# Altium PCB EDA-04211-V4_0_pcb.pcbdoc (part 11 of 12)
Units mm, origin at the board's own origin, x right, y up, seen from the top; angles counter-clockwise.
Board outline 304.8 x 128.5 mm, 14 copper layers (Top Layer, L2, L3GND, L4, L5GND, L6, L7GND, L8, L9GND, L10, L11GND, L12, L13GND, Bottom Layer), stack 4.06 mm thick; 143 components, 1224 nets, 5334 pads, 591 vias.
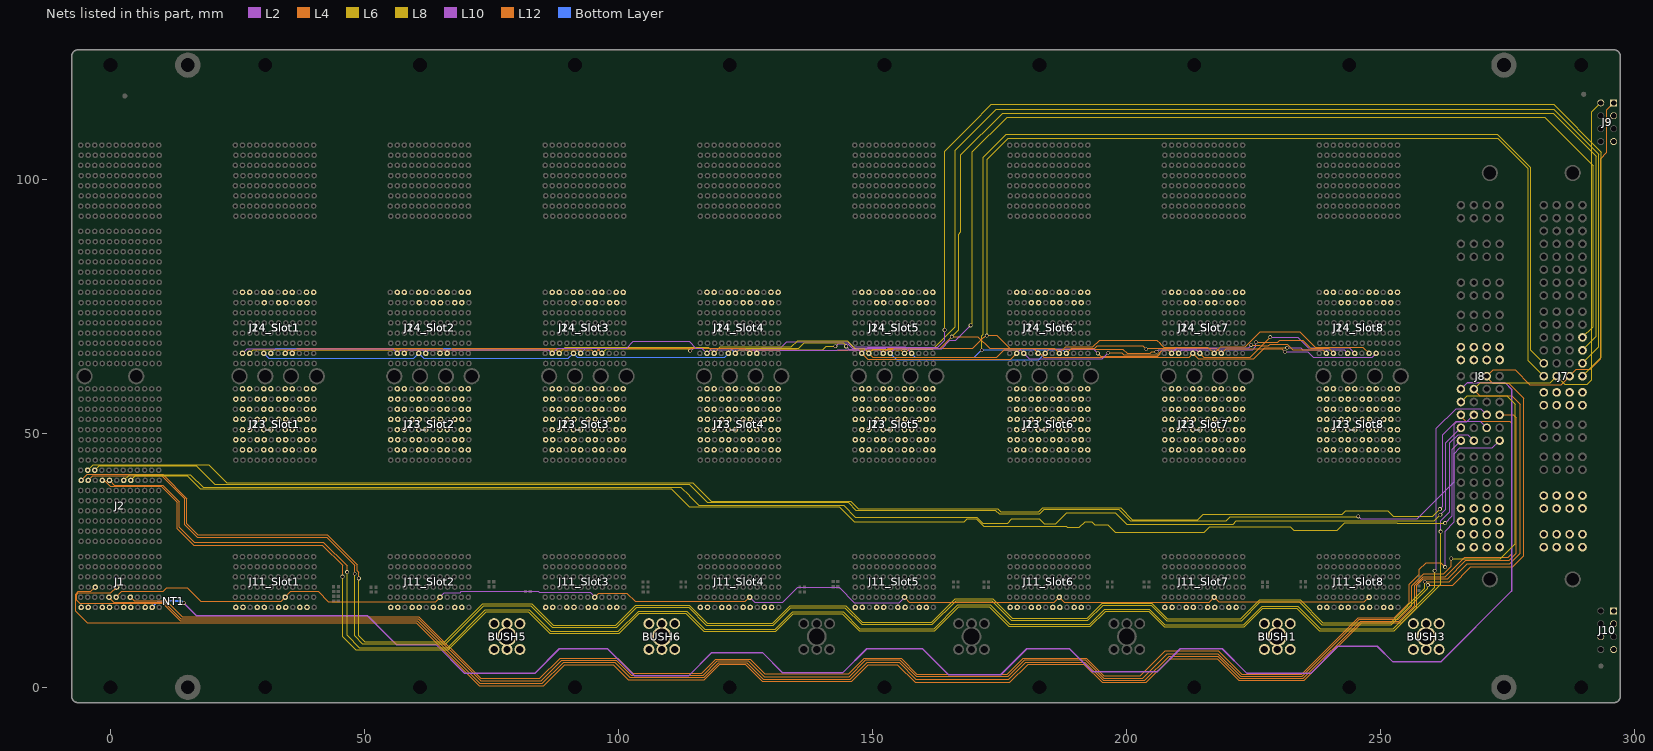
[diagram p23: the nets of this part, all layers, seen from the top]

## Via types
v1: diameter 0.75, hole 0.5, Top Layer to Bottom Layer, tented both sides, 549 vias
v2: diameter 0.85, hole 0.5, Top Layer to Bottom Layer, tented both sides, 32 vias
v3: diameter 1.3, hole 1, Top Layer to Bottom Layer, tented both sides, 10 vias

## Nets (pads, with @x,y where several pads share a name; then routed paths per layer and width w, separated by ;. In a path a pad name is that pad's centre, name@x,y a point inside that pad or via, vN(x,y) a via of type N, cw(c..) or ccw(c..) an arc to the next point about the centre after c; other vN are vias at no path point) (continued)
"IO34_Peripheral Slot 4": J14_Slot4.D7 J24_Slot4.D7
"IO34_Peripheral Slot 5": J14_Slot5.D7 J24_Slot5.D7
"IO34_Peripheral Slot 6": J14_Slot6.D7 J24_Slot6.D7
"IO34_Peripheral Slot 7": J14_Slot7.D7 J24_Slot7.D7
"IO34_Peripheral Slot 8": J14_Slot8.D7 J24_Slot8.D7
"IO35_Peripheral Slot 1": J14_Slot1.E7 J24_Slot1.E7
"IO35_Peripheral Slot 2": J14_Slot2.E7 J24_Slot2.E7
"IO35_Peripheral Slot 3": J14_Slot3.E7 J24_Slot3.E7
"IO35_Peripheral Slot 4": J14_Slot4.E7 J24_Slot4.E7
"IO35_Peripheral Slot 5": J14_Slot5.E7 J24_Slot5.E7
"IO35_Peripheral Slot 6": J14_Slot6.E7 J24_Slot6.E7
"IO35_Peripheral Slot 7": J14_Slot7.E7 J24_Slot7.E7
"IO35_Peripheral Slot 8": J14_Slot8.E7 J24_Slot8.E7
"IO36_Peripheral Slot 1": J14_Slot1.G7 J24_Slot1.G7
"IO36_Peripheral Slot 2": J14_Slot2.G7 J24_Slot2.G7
"IO36_Peripheral Slot 3": J14_Slot3.G7 J24_Slot3.G7
"IO36_Peripheral Slot 4": J14_Slot4.G7 J24_Slot4.G7
"IO36_Peripheral Slot 5": J14_Slot5.G7 J24_Slot5.G7
"IO36_Peripheral Slot 6": J14_Slot6.G7 J24_Slot6.G7
"IO36_Peripheral Slot 7": J14_Slot7.G7 J24_Slot7.G7
"IO36_Peripheral Slot 8": J14_Slot8.G7 J24_Slot8.G7
"IO37_Peripheral Slot 1": J14_Slot1.H7 J24_Slot1.H7
"IO37_Peripheral Slot 2": J14_Slot2.H7 J24_Slot2.H7
"IO37_Peripheral Slot 3": J14_Slot3.H7 J24_Slot3.H7
"IO37_Peripheral Slot 4": J14_Slot4.H7 J24_Slot4.H7
"IO37_Peripheral Slot 5": J14_Slot5.H7 J24_Slot5.H7
"IO37_Peripheral Slot 6": J14_Slot6.H7 J24_Slot6.H7
"IO37_Peripheral Slot 7": J14_Slot7.H7 J24_Slot7.H7
"IO37_Peripheral Slot 8": J14_Slot8.H7 J24_Slot8.H7
"IO38_Peripheral Slot 1": J14_Slot1.J7 J24_Slot1.J7
"IO38_Peripheral Slot 2": J14_Slot2.J7 J24_Slot2.J7
"IO38_Peripheral Slot 3": J14_Slot3.J7 J24_Slot3.J7
"IO38_Peripheral Slot 4": J14_Slot4.J7 J24_Slot4.J7
"IO38_Peripheral Slot 5": J14_Slot5.J7 J24_Slot5.J7
"IO38_Peripheral Slot 6": J14_Slot6.J7 J24_Slot6.J7
"IO38_Peripheral Slot 7": J14_Slot7.J7 J24_Slot7.J7
"IO38_Peripheral Slot 8": J14_Slot8.J7 J24_Slot8.J7
"IO39_Peripheral Slot 1": J14_Slot1.K7 J24_Slot1.K7
"IO39_Peripheral Slot 2": J14_Slot2.K7 J24_Slot2.K7
"IO39_Peripheral Slot 3": J14_Slot3.K7 J24_Slot3.K7
"IO39_Peripheral Slot 4": J14_Slot4.K7 J24_Slot4.K7
"IO39_Peripheral Slot 5": J14_Slot5.K7 J24_Slot5.K7
"IO39_Peripheral Slot 6": J14_Slot6.K7 J24_Slot6.K7
"IO39_Peripheral Slot 7": J14_Slot7.K7 J24_Slot7.K7
"IO39_Peripheral Slot 8": J14_Slot8.K7 J24_Slot8.K7
"IO40_Peripheral Slot 1": J14_Slot1.B8 J24_Slot1.B8
"IO40_Peripheral Slot 2": J14_Slot2.B8 J24_Slot2.B8
"IO40_Peripheral Slot 3": J14_Slot3.B8 J24_Slot3.B8
"IO40_Peripheral Slot 4": J14_Slot4.B8 J24_Slot4.B8
"IO40_Peripheral Slot 5": J14_Slot5.B8 J24_Slot5.B8
"IO40_Peripheral Slot 6": J14_Slot6.B8 J24_Slot6.B8
"IO40_Peripheral Slot 7": J14_Slot7.B8 J24_Slot7.B8
"IO40_Peripheral Slot 8": J14_Slot8.B8 J24_Slot8.B8
"IO41_Peripheral Slot 1": J14_Slot1.C8 J24_Slot1.C8
"IO41_Peripheral Slot 2": J14_Slot2.C8 J24_Slot2.C8
"IO41_Peripheral Slot 3": J14_Slot3.C8 J24_Slot3.C8
"IO41_Peripheral Slot 4": J14_Slot4.C8 J24_Slot4.C8
"IO41_Peripheral Slot 5": J14_Slot5.C8 J24_Slot5.C8
"IO41_Peripheral Slot 6": J14_Slot6.C8 J24_Slot6.C8
"IO41_Peripheral Slot 7": J14_Slot7.C8 J24_Slot7.C8
"IO41_Peripheral Slot 8": J14_Slot8.C8 J24_Slot8.C8
"IO42_Peripheral Slot 1": J14_Slot1.E8 J24_Slot1.E8
"IO42_Peripheral Slot 2": J14_Slot2.E8 J24_Slot2.E8
"IO42_Peripheral Slot 3": J14_Slot3.E8 J24_Slot3.E8
"IO42_Peripheral Slot 4": J14_Slot4.E8 J24_Slot4.E8
"IO42_Peripheral Slot 5": J14_Slot5.E8 J24_Slot5.E8
"IO42_Peripheral Slot 6": J14_Slot6.E8 J24_Slot6.E8
"IO42_Peripheral Slot 7": J14_Slot7.E8 J24_Slot7.E8
"IO42_Peripheral Slot 8": J14_Slot8.E8 J24_Slot8.E8
"IO43_Peripheral Slot 1": J14_Slot1.F8 J24_Slot1.F8
"IO43_Peripheral Slot 2": J14_Slot2.F8 J24_Slot2.F8
"IO43_Peripheral Slot 3": J14_Slot3.F8 J24_Slot3.F8
"IO43_Peripheral Slot 4": J14_Slot4.F8 J24_Slot4.F8
"IO43_Peripheral Slot 5": J14_Slot5.F8 J24_Slot5.F8
"IO43_Peripheral Slot 6": J14_Slot6.F8 J24_Slot6.F8
"IO43_Peripheral Slot 7": J14_Slot7.F8 J24_Slot7.F8
"IO43_Peripheral Slot 8": J14_Slot8.F8 J24_Slot8.F8
"IO44_Peripheral Slot 1": J14_Slot1.H8 J24_Slot1.H8
"IO44_Peripheral Slot 2": J14_Slot2.H8 J24_Slot2.H8
"IO44_Peripheral Slot 3": J14_Slot3.H8 J24_Slot3.H8
"IO44_Peripheral Slot 4": J14_Slot4.H8 J24_Slot4.H8
"IO44_Peripheral Slot 5": J14_Slot5.H8 J24_Slot5.H8
"IO44_Peripheral Slot 6": J14_Slot6.H8 J24_Slot6.H8
"IO44_Peripheral Slot 7": J14_Slot7.H8 J24_Slot7.H8
"IO44_Peripheral Slot 8": J14_Slot8.H8 J24_Slot8.H8
"IO45_Peripheral Slot 1": J14_Slot1.I8 J24_Slot1.I8
"IO45_Peripheral Slot 2": J14_Slot2.I8 J24_Slot2.I8
"IO45_Peripheral Slot 3": J14_Slot3.I8 J24_Slot3.I8
"IO45_Peripheral Slot 4": J14_Slot4.I8 J24_Slot4.I8
"IO45_Peripheral Slot 5": J14_Slot5.I8 J24_Slot5.I8
"IO45_Peripheral Slot 6": J14_Slot6.I8 J24_Slot6.I8
"IO45_Peripheral Slot 7": J14_Slot7.I8 J24_Slot7.I8
"IO45_Peripheral Slot 8": J14_Slot8.I8 J24_Slot8.I8
"IO46_Peripheral Slot 1": J14_Slot1.K8 J24_Slot1.K8
"IO46_Peripheral Slot 2": J14_Slot2.K8 J24_Slot2.K8
"IO46_Peripheral Slot 3": J14_Slot3.K8 J24_Slot3.K8
"IO46_Peripheral Slot 4": J14_Slot4.K8 J24_Slot4.K8
"IO46_Peripheral Slot 5": J14_Slot5.K8 J24_Slot5.K8
"IO46_Peripheral Slot 6": J14_Slot6.K8 J24_Slot6.K8
"IO46_Peripheral Slot 7": J14_Slot7.K8 J24_Slot7.K8
"IO46_Peripheral Slot 8": J14_Slot8.K8 J24_Slot8.K8
"IO47_Peripheral Slot 1": J14_Slot1.L8 J24_Slot1.L8
"IO47_Peripheral Slot 2": J14_Slot2.L8 J24_Slot2.L8
"IO47_Peripheral Slot 3": J14_Slot3.L8 J24_Slot3.L8
"IO47_Peripheral Slot 4": J14_Slot4.L8 J24_Slot4.L8
"IO47_Peripheral Slot 5": J14_Slot5.L8 J24_Slot5.L8
"IO47_Peripheral Slot 6": J14_Slot6.L8 J24_Slot6.L8
"IO47_Peripheral Slot 7": J14_Slot7.L8 J24_Slot7.L8
"IO47_Peripheral Slot 8": J14_Slot8.L8 J24_Slot8.L8
"IO48_Peripheral Slot 1": J13_Slot1.B2 J23_Slot1.B2
"IO48_Peripheral Slot 2": J13_Slot2.B2 J23_Slot2.B2
"IO48_Peripheral Slot 3": J13_Slot3.B2 J23_Slot3.B2
"IO48_Peripheral Slot 4": J13_Slot4.B2 J23_Slot4.B2
"IO48_Peripheral Slot 5": J13_Slot5.B2 J23_Slot5.B2
"IO48_Peripheral Slot 6": J13_Slot6.B2 J23_Slot6.B2
"IO48_Peripheral Slot 7": J13_Slot7.B2 J23_Slot7.B2
"IO48_Peripheral Slot 8": J13_Slot8.B2 J23_Slot8.B2
"IO49_Peripheral Slot 1": J13_Slot1.C2 J23_Slot1.C2
"IO49_Peripheral Slot 2": J13_Slot2.C2 J23_Slot2.C2
"IO49_Peripheral Slot 3": J13_Slot3.C2 J23_Slot3.C2
"IO49_Peripheral Slot 4": J13_Slot4.C2 J23_Slot4.C2
"IO49_Peripheral Slot 5": J13_Slot5.C2 J23_Slot5.C2
"IO49_Peripheral Slot 6": J13_Slot6.C2 J23_Slot6.C2
"IO49_Peripheral Slot 7": J13_Slot7.C2 J23_Slot7.C2
"IO49_Peripheral Slot 8": J13_Slot8.C2 J23_Slot8.C2
"IO50_Peripheral Slot 1": J13_Slot1.E2 J23_Slot1.E2
"IO50_Peripheral Slot 2": J13_Slot2.E2 J23_Slot2.E2
"IO50_Peripheral Slot 3": J13_Slot3.E2 J23_Slot3.E2
"IO50_Peripheral Slot 4": J13_Slot4.E2 J23_Slot4.E2
"IO50_Peripheral Slot 5": J13_Slot5.E2 J23_Slot5.E2
"IO50_Peripheral Slot 6": J13_Slot6.E2 J23_Slot6.E2
"IO50_Peripheral Slot 7": J13_Slot7.E2 J23_Slot7.E2
"IO50_Peripheral Slot 8": J13_Slot8.E2 J23_Slot8.E2
"IO51_Peripheral Slot 1": J13_Slot1.F2 J23_Slot1.F2
"IO51_Peripheral Slot 2": J13_Slot2.F2 J23_Slot2.F2
"IO51_Peripheral Slot 3": J13_Slot3.F2 J23_Slot3.F2
"IO51_Peripheral Slot 4": J13_Slot4.F2 J23_Slot4.F2
"IO51_Peripheral Slot 5": J13_Slot5.F2 J23_Slot5.F2
"IO51_Peripheral Slot 6": J13_Slot6.F2 J23_Slot6.F2
"IO51_Peripheral Slot 7": J13_Slot7.F2 J23_Slot7.F2
"IO51_Peripheral Slot 8": J13_Slot8.F2 J23_Slot8.F2
"IO52_Peripheral Slot 1": J13_Slot1.H2 J23_Slot1.H2
"IO52_Peripheral Slot 2": J13_Slot2.H2 J23_Slot2.H2
"IO52_Peripheral Slot 3": J13_Slot3.H2 J23_Slot3.H2
"IO52_Peripheral Slot 4": J13_Slot4.H2 J23_Slot4.H2
"IO52_Peripheral Slot 5": J13_Slot5.H2 J23_Slot5.H2
"IO52_Peripheral Slot 6": J13_Slot6.H2 J23_Slot6.H2
"IO52_Peripheral Slot 7": J13_Slot7.H2 J23_Slot7.H2
"IO52_Peripheral Slot 8": J13_Slot8.H2 J23_Slot8.H2
"IO53_Peripheral Slot 1": J13_Slot1.I2 J23_Slot1.I2
"IO53_Peripheral Slot 2": J13_Slot2.I2 J23_Slot2.I2
"IO53_Peripheral Slot 3": J13_Slot3.I2 J23_Slot3.I2
"IO53_Peripheral Slot 4": J13_Slot4.I2 J23_Slot4.I2
"IO53_Peripheral Slot 5": J13_Slot5.I2 J23_Slot5.I2
"IO53_Peripheral Slot 6": J13_Slot6.I2 J23_Slot6.I2
"IO53_Peripheral Slot 7": J13_Slot7.I2 J23_Slot7.I2
"IO53_Peripheral Slot 8": J13_Slot8.I2 J23_Slot8.I2
"IO54_Peripheral Slot 1": J13_Slot1.K2 J23_Slot1.K2
"IO54_Peripheral Slot 2": J13_Slot2.K2 J23_Slot2.K2
"IO54_Peripheral Slot 3": J13_Slot3.K2 J23_Slot3.K2
"IO54_Peripheral Slot 4": J13_Slot4.K2 J23_Slot4.K2
"IO54_Peripheral Slot 5": J13_Slot5.K2 J23_Slot5.K2
"IO54_Peripheral Slot 6": J13_Slot6.K2 J23_Slot6.K2
"IO54_Peripheral Slot 7": J13_Slot7.K2 J23_Slot7.K2
"IO54_Peripheral Slot 8": J13_Slot8.K2 J23_Slot8.K2
"IO55_Peripheral Slot 1": J13_Slot1.L2 J23_Slot1.L2
"IO55_Peripheral Slot 2": J13_Slot2.L2 J23_Slot2.L2
"IO55_Peripheral Slot 3": J13_Slot3.L2 J23_Slot3.L2
"IO55_Peripheral Slot 4": J13_Slot4.L2 J23_Slot4.L2
"IO55_Peripheral Slot 5": J13_Slot5.L2 J23_Slot5.L2
"IO55_Peripheral Slot 6": J13_Slot6.L2 J23_Slot6.L2
"IO55_Peripheral Slot 7": J13_Slot7.L2 J23_Slot7.L2
"IO55_Peripheral Slot 8": J13_Slot8.L2 J23_Slot8.L2
"IO56_Peripheral Slot 1": J13_Slot1.A3 J23_Slot1.A3
"IO56_Peripheral Slot 2": J13_Slot2.A3 J23_Slot2.A3
"IO56_Peripheral Slot 3": J13_Slot3.A3 J23_Slot3.A3
"IO56_Peripheral Slot 4": J13_Slot4.A3 J23_Slot4.A3
"IO56_Peripheral Slot 5": J13_Slot5.A3 J23_Slot5.A3
"IO56_Peripheral Slot 6": J13_Slot6.A3 J23_Slot6.A3
"IO56_Peripheral Slot 7": J13_Slot7.A3 J23_Slot7.A3
"IO56_Peripheral Slot 8": J13_Slot8.A3 J23_Slot8.A3
"IO57_Peripheral Slot 1": J13_Slot1.B3 J23_Slot1.B3
"IO57_Peripheral Slot 2": J13_Slot2.B3 J23_Slot2.B3
"IO57_Peripheral Slot 3": J13_Slot3.B3 J23_Slot3.B3
"IO57_Peripheral Slot 4": J13_Slot4.B3 J23_Slot4.B3
"IO57_Peripheral Slot 5": J13_Slot5.B3 J23_Slot5.B3
"IO57_Peripheral Slot 6": J13_Slot6.B3 J23_Slot6.B3
"IO57_Peripheral Slot 7": J13_Slot7.B3 J23_Slot7.B3
"IO57_Peripheral Slot 8": J13_Slot8.B3 J23_Slot8.B3
"IO58_Peripheral Slot 1": J13_Slot1.D3 J23_Slot1.D3
"IO58_Peripheral Slot 2": J13_Slot2.D3 J23_Slot2.D3
"IO58_Peripheral Slot 3": J13_Slot3.D3 J23_Slot3.D3
"IO58_Peripheral Slot 4": J13_Slot4.D3 J23_Slot4.D3
"IO58_Peripheral Slot 5": J13_Slot5.D3 J23_Slot5.D3
"IO58_Peripheral Slot 6": J13_Slot6.D3 J23_Slot6.D3
"IO58_Peripheral Slot 7": J13_Slot7.D3 J23_Slot7.D3
"IO58_Peripheral Slot 8": J13_Slot8.D3 J23_Slot8.D3
"IO59_Peripheral Slot 1": J13_Slot1.E3 J23_Slot1.E3
"IO59_Peripheral Slot 2": J13_Slot2.E3 J23_Slot2.E3
"IO59_Peripheral Slot 3": J13_Slot3.E3 J23_Slot3.E3
"IO59_Peripheral Slot 4": J13_Slot4.E3 J23_Slot4.E3
"IO59_Peripheral Slot 5": J13_Slot5.E3 J23_Slot5.E3
"IO59_Peripheral Slot 6": J13_Slot6.E3 J23_Slot6.E3
"IO59_Peripheral Slot 7": J13_Slot7.E3 J23_Slot7.E3
"IO59_Peripheral Slot 8": J13_Slot8.E3 J23_Slot8.E3
"IO60_Peripheral Slot 1": J13_Slot1.G3 J23_Slot1.G3
"IO60_Peripheral Slot 2": J13_Slot2.G3 J23_Slot2.G3
"IO60_Peripheral Slot 3": J13_Slot3.G3 J23_Slot3.G3
"IO60_Peripheral Slot 4": J13_Slot4.G3 J23_Slot4.G3
"IO60_Peripheral Slot 5": J13_Slot5.G3 J23_Slot5.G3
"IO60_Peripheral Slot 6": J13_Slot6.G3 J23_Slot6.G3
"IO60_Peripheral Slot 7": J13_Slot7.G3 J23_Slot7.G3
"IO60_Peripheral Slot 8": J13_Slot8.G3 J23_Slot8.G3
"IO61_Peripheral Slot 1": J13_Slot1.H3 J23_Slot1.H3
"IO61_Peripheral Slot 2": J13_Slot2.H3 J23_Slot2.H3
"IO61_Peripheral Slot 3": J13_Slot3.H3 J23_Slot3.H3
"IO61_Peripheral Slot 4": J13_Slot4.H3 J23_Slot4.H3
"IO61_Peripheral Slot 5": J13_Slot5.H3 J23_Slot5.H3
"IO61_Peripheral Slot 6": J13_Slot6.H3 J23_Slot6.H3
"IO61_Peripheral Slot 7": J13_Slot7.H3 J23_Slot7.H3
"IO61_Peripheral Slot 8": J13_Slot8.H3 J23_Slot8.H3
"IO62_Peripheral Slot 1": J13_Slot1.J3 J23_Slot1.J3
"IO62_Peripheral Slot 2": J13_Slot2.J3 J23_Slot2.J3
"IO62_Peripheral Slot 3": J13_Slot3.J3 J23_Slot3.J3
"IO62_Peripheral Slot 4": J13_Slot4.J3 J23_Slot4.J3
"IO62_Peripheral Slot 5": J13_Slot5.J3 J23_Slot5.J3
"IO62_Peripheral Slot 6": J13_Slot6.J3 J23_Slot6.J3
"IO62_Peripheral Slot 7": J13_Slot7.J3 J23_Slot7.J3
"IO62_Peripheral Slot 8": J13_Slot8.J3 J23_Slot8.J3
"IO63_Peripheral Slot 1": J13_Slot1.K3 J23_Slot1.K3
"IO63_Peripheral Slot 2": J13_Slot2.K3 J23_Slot2.K3
"IO63_Peripheral Slot 3": J13_Slot3.K3 J23_Slot3.K3
"IO63_Peripheral Slot 4": J13_Slot4.K3 J23_Slot4.K3
"IO63_Peripheral Slot 5": J13_Slot5.K3 J23_Slot5.K3
"IO63_Peripheral Slot 6": J13_Slot6.K3 J23_Slot6.K3
"IO63_Peripheral Slot 7": J13_Slot7.K3 J23_Slot7.K3
"IO63_Peripheral Slot 8": J13_Slot8.K3 J23_Slot8.K3
"IO64_Peripheral Slot 1": J13_Slot1.B4 J23_Slot1.B4
"IO64_Peripheral Slot 2": J13_Slot2.B4 J23_Slot2.B4
"IO64_Peripheral Slot 3": J13_Slot3.B4 J23_Slot3.B4
"IO64_Peripheral Slot 4": J13_Slot4.B4 J23_Slot4.B4
"IO64_Peripheral Slot 5": J13_Slot5.B4 J23_Slot5.B4
"IO64_Peripheral Slot 6": J13_Slot6.B4 J23_Slot6.B4
"IO64_Peripheral Slot 7": J13_Slot7.B4 J23_Slot7.B4
"IO64_Peripheral Slot 8": J13_Slot8.B4 J23_Slot8.B4
"IO65_Peripheral Slot 1": J13_Slot1.C4 J23_Slot1.C4
"IO65_Peripheral Slot 2": J13_Slot2.C4 J23_Slot2.C4
"IO65_Peripheral Slot 3": J13_Slot3.C4 J23_Slot3.C4
"IO65_Peripheral Slot 4": J13_Slot4.C4 J23_Slot4.C4
"IO65_Peripheral Slot 5": J13_Slot5.C4 J23_Slot5.C4
"IO65_Peripheral Slot 6": J13_Slot6.C4 J23_Slot6.C4
"IO65_Peripheral Slot 7": J13_Slot7.C4 J23_Slot7.C4
"IO65_Peripheral Slot 8": J13_Slot8.C4 J23_Slot8.C4
"IO66_Peripheral Slot 1": J13_Slot1.E4 J23_Slot1.E4
"IO66_Peripheral Slot 2": J13_Slot2.E4 J23_Slot2.E4
"IO66_Peripheral Slot 3": J13_Slot3.E4 J23_Slot3.E4
"IO66_Peripheral Slot 4": J13_Slot4.E4 J23_Slot4.E4
"IO66_Peripheral Slot 5": J13_Slot5.E4 J23_Slot5.E4
"IO66_Peripheral Slot 6": J13_Slot6.E4 J23_Slot6.E4
"IO66_Peripheral Slot 7": J13_Slot7.E4 J23_Slot7.E4
"IO66_Peripheral Slot 8": J13_Slot8.E4 J23_Slot8.E4
"IO67_Peripheral Slot 1": J13_Slot1.F4 J23_Slot1.F4
"IO67_Peripheral Slot 2": J13_Slot2.F4 J23_Slot2.F4
"IO67_Peripheral Slot 3": J13_Slot3.F4 J23_Slot3.F4
"IO67_Peripheral Slot 4": J13_Slot4.F4 J23_Slot4.F4
"IO67_Peripheral Slot 5": J13_Slot5.F4 J23_Slot5.F4
"IO67_Peripheral Slot 6": J13_Slot6.F4 J23_Slot6.F4
"IO67_Peripheral Slot 7": J13_Slot7.F4 J23_Slot7.F4
"IO67_Peripheral Slot 8": J13_Slot8.F4 J23_Slot8.F4
"IO68_Peripheral Slot 1": J13_Slot1.H4 J23_Slot1.H4
"IO68_Peripheral Slot 2": J13_Slot2.H4 J23_Slot2.H4
"IO68_Peripheral Slot 3": J13_Slot3.H4 J23_Slot3.H4
"IO68_Peripheral Slot 4": J13_Slot4.H4 J23_Slot4.H4
"IO68_Peripheral Slot 5": J13_Slot5.H4 J23_Slot5.H4
"IO68_Peripheral Slot 6": J13_Slot6.H4 J23_Slot6.H4
"IO68_Peripheral Slot 7": J13_Slot7.H4 J23_Slot7.H4
"IO68_Peripheral Slot 8": J13_Slot8.H4 J23_Slot8.H4
"IO69_Peripheral Slot 1": J13_Slot1.I4 J23_Slot1.I4
"IO69_Peripheral Slot 2": J13_Slot2.I4 J23_Slot2.I4
"IO69_Peripheral Slot 3": J13_Slot3.I4 J23_Slot3.I4
"IO69_Peripheral Slot 4": J13_Slot4.I4 J23_Slot4.I4
"IO69_Peripheral Slot 5": J13_Slot5.I4 J23_Slot5.I4
"IO69_Peripheral Slot 6": J13_Slot6.I4 J23_Slot6.I4
"IO69_Peripheral Slot 7": J13_Slot7.I4 J23_Slot7.I4
"IO69_Peripheral Slot 8": J13_Slot8.I4 J23_Slot8.I4
"IO70_Peripheral Slot 1": J13_Slot1.K4 J23_Slot1.K4
"IO70_Peripheral Slot 2": J13_Slot2.K4 J23_Slot2.K4
"IO70_Peripheral Slot 3": J13_Slot3.K4 J23_Slot3.K4
"IO70_Peripheral Slot 4": J13_Slot4.K4 J23_Slot4.K4
"IO70_Peripheral Slot 5": J13_Slot5.K4 J23_Slot5.K4
"IO70_Peripheral Slot 6": J13_Slot6.K4 J23_Slot6.K4
"IO70_Peripheral Slot 7": J13_Slot7.K4 J23_Slot7.K4
"IO70_Peripheral Slot 8": J13_Slot8.K4 J23_Slot8.K4
"IO71_Peripheral Slot 1": J13_Slot1.L4 J23_Slot1.L4
"IO71_Peripheral Slot 2": J13_Slot2.L4 J23_Slot2.L4
"IO71_Peripheral Slot 3": J13_Slot3.L4 J23_Slot3.L4
"IO71_Peripheral Slot 4": J13_Slot4.L4 J23_Slot4.L4
"IO71_Peripheral Slot 5": J13_Slot5.L4 J23_Slot5.L4
"IO71_Peripheral Slot 6": J13_Slot6.L4 J23_Slot6.L4
"IO71_Peripheral Slot 7": J13_Slot7.L4 J23_Slot7.L4
"IO71_Peripheral Slot 8": J13_Slot8.L4 J23_Slot8.L4
"IO72_Peripheral Slot 1": J13_Slot1.A5 J23_Slot1.A5
"IO72_Peripheral Slot 2": J13_Slot2.A5 J23_Slot2.A5
"IO72_Peripheral Slot 3": J13_Slot3.A5 J23_Slot3.A5
"IO72_Peripheral Slot 4": J13_Slot4.A5 J23_Slot4.A5
"IO72_Peripheral Slot 5": J13_Slot5.A5 J23_Slot5.A5
"IO72_Peripheral Slot 6": J13_Slot6.A5 J23_Slot6.A5
"IO72_Peripheral Slot 7": J13_Slot7.A5 J23_Slot7.A5
"IO72_Peripheral Slot 8": J13_Slot8.A5 J23_Slot8.A5
"IO73_Peripheral Slot 1": J13_Slot1.B5 J23_Slot1.B5
"IO73_Peripheral Slot 2": J13_Slot2.B5 J23_Slot2.B5
"IO73_Peripheral Slot 3": J13_Slot3.B5 J23_Slot3.B5
"IO73_Peripheral Slot 4": J13_Slot4.B5 J23_Slot4.B5
"IO73_Peripheral Slot 5": J13_Slot5.B5 J23_Slot5.B5
"IO73_Peripheral Slot 6": J13_Slot6.B5 J23_Slot6.B5
"IO73_Peripheral Slot 7": J13_Slot7.B5 J23_Slot7.B5
"IO73_Peripheral Slot 8": J13_Slot8.B5 J23_Slot8.B5
"IO74_Peripheral Slot 1": J13_Slot1.D5 J23_Slot1.D5
"IO74_Peripheral Slot 2": J13_Slot2.D5 J23_Slot2.D5
"IO74_Peripheral Slot 3": J13_Slot3.D5 J23_Slot3.D5
"IO74_Peripheral Slot 4": J13_Slot4.D5 J23_Slot4.D5
"IO74_Peripheral Slot 5": J13_Slot5.D5 J23_Slot5.D5
"IO74_Peripheral Slot 6": J13_Slot6.D5 J23_Slot6.D5
"IO74_Peripheral Slot 7": J13_Slot7.D5 J23_Slot7.D5
"IO74_Peripheral Slot 8": J13_Slot8.D5 J23_Slot8.D5
"IO75_Peripheral Slot 1": J13_Slot1.E5 J23_Slot1.E5
"IO75_Peripheral Slot 2": J13_Slot2.E5 J23_Slot2.E5
"IO75_Peripheral Slot 3": J13_Slot3.E5 J23_Slot3.E5
"IO75_Peripheral Slot 4": J13_Slot4.E5 J23_Slot4.E5
"IO75_Peripheral Slot 5": J13_Slot5.E5 J23_Slot5.E5
"IO75_Peripheral Slot 6": J13_Slot6.E5 J23_Slot6.E5
"IO75_Peripheral Slot 7": J13_Slot7.E5 J23_Slot7.E5
"IO75_Peripheral Slot 8": J13_Slot8.E5 J23_Slot8.E5
"IO76_Peripheral Slot 1": J13_Slot1.G5 J23_Slot1.G5
"IO76_Peripheral Slot 2": J13_Slot2.G5 J23_Slot2.G5
"IO76_Peripheral Slot 3": J13_Slot3.G5 J23_Slot3.G5
"IO76_Peripheral Slot 4": J13_Slot4.G5 J23_Slot4.G5
"IO76_Peripheral Slot 5": J13_Slot5.G5 J23_Slot5.G5
"IO76_Peripheral Slot 6": J13_Slot6.G5 J23_Slot6.G5
"IO76_Peripheral Slot 7": J13_Slot7.G5 J23_Slot7.G5
"IO76_Peripheral Slot 8": J13_Slot8.G5 J23_Slot8.G5
"IO77_Peripheral Slot 1": J13_Slot1.H5 J23_Slot1.H5
"IO77_Peripheral Slot 2": J13_Slot2.H5 J23_Slot2.H5
"IO77_Peripheral Slot 3": J13_Slot3.H5 J23_Slot3.H5
"IO77_Peripheral Slot 4": J13_Slot4.H5 J23_Slot4.H5
"IO77_Peripheral Slot 5": J13_Slot5.H5 J23_Slot5.H5
"IO77_Peripheral Slot 6": J13_Slot6.H5 J23_Slot6.H5
"IO77_Peripheral Slot 7": J13_Slot7.H5 J23_Slot7.H5
"IO77_Peripheral Slot 8": J13_Slot8.H5 J23_Slot8.H5
"IO78_Peripheral Slot 1": J13_Slot1.J5 J23_Slot1.J5
"IO78_Peripheral Slot 2": J13_Slot2.J5 J23_Slot2.J5
"IO78_Peripheral Slot 3": J13_Slot3.J5 J23_Slot3.J5
"IO78_Peripheral Slot 4": J13_Slot4.J5 J23_Slot4.J5
"IO78_Peripheral Slot 5": J13_Slot5.J5 J23_Slot5.J5
"IO78_Peripheral Slot 6": J13_Slot6.J5 J23_Slot6.J5
"IO78_Peripheral Slot 7": J13_Slot7.J5 J23_Slot7.J5
"IO78_Peripheral Slot 8": J13_Slot8.J5 J23_Slot8.J5
"IO79_Peripheral Slot 1": J13_Slot1.K5 J23_Slot1.K5
"IO79_Peripheral Slot 2": J13_Slot2.K5 J23_Slot2.K5
"IO79_Peripheral Slot 3": J13_Slot3.K5 J23_Slot3.K5
"IO79_Peripheral Slot 4": J13_Slot4.K5 J23_Slot4.K5
"IO79_Peripheral Slot 5": J13_Slot5.K5 J23_Slot5.K5
"IO79_Peripheral Slot 6": J13_Slot6.K5 J23_Slot6.K5
"IO79_Peripheral Slot 7": J13_Slot7.K5 J23_Slot7.K5
"IO79_Peripheral Slot 8": J13_Slot8.K5 J23_Slot8.K5
"IO80_Peripheral Slot 1": J13_Slot1.B6 J23_Slot1.B6
"IO80_Peripheral Slot 2": J13_Slot2.B6 J23_Slot2.B6
"IO80_Peripheral Slot 3": J13_Slot3.B6 J23_Slot3.B6
"IO80_Peripheral Slot 4": J13_Slot4.B6 J23_Slot4.B6
"IO80_Peripheral Slot 5": J13_Slot5.B6 J23_Slot5.B6
"IO80_Peripheral Slot 6": J13_Slot6.B6 J23_Slot6.B6
"IO80_Peripheral Slot 7": J13_Slot7.B6 J23_Slot7.B6
"IO80_Peripheral Slot 8": J13_Slot8.B6 J23_Slot8.B6
"IO81_Peripheral Slot 1": J13_Slot1.C6 J23_Slot1.C6
"IO81_Peripheral Slot 2": J13_Slot2.C6 J23_Slot2.C6
"IO81_Peripheral Slot 3": J13_Slot3.C6 J23_Slot3.C6
"IO81_Peripheral Slot 4": J13_Slot4.C6 J23_Slot4.C6
"IO81_Peripheral Slot 5": J13_Slot5.C6 J23_Slot5.C6
"IO81_Peripheral Slot 6": J13_Slot6.C6 J23_Slot6.C6
"IO81_Peripheral Slot 7": J13_Slot7.C6 J23_Slot7.C6
"IO81_Peripheral Slot 8": J13_Slot8.C6 J23_Slot8.C6
"IO82_Peripheral Slot 1": J13_Slot1.E6 J23_Slot1.E6
"IO82_Peripheral Slot 2": J13_Slot2.E6 J23_Slot2.E6
"IO82_Peripheral Slot 3": J13_Slot3.E6 J23_Slot3.E6
"IO82_Peripheral Slot 4": J13_Slot4.E6 J23_Slot4.E6
"IO82_Peripheral Slot 5": J13_Slot5.E6 J23_Slot5.E6
"IO82_Peripheral Slot 6": J13_Slot6.E6 J23_Slot6.E6
"IO82_Peripheral Slot 7": J13_Slot7.E6 J23_Slot7.E6
"IO82_Peripheral Slot 8": J13_Slot8.E6 J23_Slot8.E6
"IO83_Peripheral Slot 1": J13_Slot1.F6 J23_Slot1.F6
"IO83_Peripheral Slot 2": J13_Slot2.F6 J23_Slot2.F6
"IO83_Peripheral Slot 3": J13_Slot3.F6 J23_Slot3.F6
"IO83_Peripheral Slot 4": J13_Slot4.F6 J23_Slot4.F6
"IO83_Peripheral Slot 5": J13_Slot5.F6 J23_Slot5.F6
"IO83_Peripheral Slot 6": J13_Slot6.F6 J23_Slot6.F6
"IO83_Peripheral Slot 7": J13_Slot7.F6 J23_Slot7.F6
"IO83_Peripheral Slot 8": J13_Slot8.F6 J23_Slot8.F6
"IO84_Peripheral Slot 1": J13_Slot1.H6 J23_Slot1.H6
"IO84_Peripheral Slot 2": J13_Slot2.H6 J23_Slot2.H6
"IO84_Peripheral Slot 3": J13_Slot3.H6 J23_Slot3.H6
"IO84_Peripheral Slot 4": J13_Slot4.H6 J23_Slot4.H6
"IO84_Peripheral Slot 5": J13_Slot5.H6 J23_Slot5.H6
"IO84_Peripheral Slot 6": J13_Slot6.H6 J23_Slot6.H6
"IO84_Peripheral Slot 7": J13_Slot7.H6 J23_Slot7.H6
"IO84_Peripheral Slot 8": J13_Slot8.H6 J23_Slot8.H6
"IO85_Peripheral Slot 1": J13_Slot1.I6 J23_Slot1.I6
"IO85_Peripheral Slot 2": J13_Slot2.I6 J23_Slot2.I6
"IO85_Peripheral Slot 3": J13_Slot3.I6 J23_Slot3.I6
"IO85_Peripheral Slot 4": J13_Slot4.I6 J23_Slot4.I6
"IO85_Peripheral Slot 5": J13_Slot5.I6 J23_Slot5.I6
"IO85_Peripheral Slot 6": J13_Slot6.I6 J23_Slot6.I6
"IO85_Peripheral Slot 7": J13_Slot7.I6 J23_Slot7.I6
"IO85_Peripheral Slot 8": J13_Slot8.I6 J23_Slot8.I6
"IO86_Peripheral Slot 1": J13_Slot1.K6 J23_Slot1.K6
"IO86_Peripheral Slot 2": J13_Slot2.K6 J23_Slot2.K6
"IO86_Peripheral Slot 3": J13_Slot3.K6 J23_Slot3.K6
"IO86_Peripheral Slot 4": J13_Slot4.K6 J23_Slot4.K6
"IO86_Peripheral Slot 5": J13_Slot5.K6 J23_Slot5.K6
"IO86_Peripheral Slot 6": J13_Slot6.K6 J23_Slot6.K6
"IO86_Peripheral Slot 7": J13_Slot7.K6 J23_Slot7.K6
"IO86_Peripheral Slot 8": J13_Slot8.K6 J23_Slot8.K6
"IO87_Peripheral Slot 1": J13_Slot1.L6 J23_Slot1.L6
"IO87_Peripheral Slot 2": J13_Slot2.L6 J23_Slot2.L6
"IO87_Peripheral Slot 3": J13_Slot3.L6 J23_Slot3.L6

## Text inside footprints (layer, text, board x,y; h text height)
J11_Slot7: Drill Drawing "Diam. 0.5mm +/-0.05" at 206.83,11.75 h1; Drill Drawing "PRESS-FIT TECHNOLOGY" at 206.83,13.25 h1; Top Overlay "A" at 208.08,27.188 h1 r90; Top Overlay "B" at 209.48,27.283 h1 r90; Top Overlay "C" at 210.88,27.236 h1 r90; Top Overlay "D" at 212.28,27.283 h1 r90; Top Overlay "E" at 213.68,27.331 h1 r90; Top Overlay "F" at 215.08,27.331 h1 r90; Top Overlay "1" at 226.03,15.862 h1 r90; Top Overlay "2" at 226.03,17.433 h1 r90; Top Overlay "3" at 226.03,19.433 h1 r90; Top Overlay "G" at 216.48,27.236 h1 r90; Top Overlay "H" at 217.88,27.283 h1 r90; Top Overlay "I" at 219.28,27.7 h1 r90; Top Overlay "4" at 226.03,21.386 h1 r90; Top Overlay "5" at 226.03,23.433 h1 r90; Top Overlay "J" at 220.68,27.474 h1 r90; Top Overlay "K" at 222.08,27.283 h1 r90; Top Overlay "6" at 226.03,25.481 h1 r90; Top Overlay "L" at 223.48,27.379 h1 r90; Mechanical 14 "A" at 207.08,27.95 h1 r270; Mechanical 14 "B" at 208.48,27.95 h1 r270; Mechanical 14 "C" at 209.88,27.95 h1 r270; Mechanical 14 "D" at 211.28,27.95 h1 r270; Mechanical 14 "E" at 212.68,27.95 h1 r270; Mechanical 14 "F" at 214.08,27.95 h1 r270; Mechanical 14 "1" at 225.03,16.1 h1 r270; Mechanical 14 "2" at 225.03,18.1 h1 r270; Mechanical 14 "3" at 225.03,20.1 h1 r270; Mechanical 14 "G" at 215.48,27.95 h1 r270; Mechanical 14 "H" at 216.88,27.95 h1 r270; Mechanical 14 "I" at 218.28,27.7 h1 r270; Mechanical 14 "4" at 225.03,22.1 h1 r270; Mechanical 14 "5" at 225.03,24.1 h1 r270; Mechanical 14 "J" at 219.68,27.95 h1 r270; Mechanical 14 "K" at 221.08,27.95 h1 r270; Mechanical 14 "6" at 225.03,26.1 h1 r270; Mechanical 14 "L" at 222.48,27.95 h1 r270
J11_Slot8: Drill Drawing "Diam. 0.5mm +/-0.05" at 237.31,11.75 h1; Drill Drawing "PRESS-FIT TECHNOLOGY" at 237.31,13.25 h1; Top Overlay "A" at 238.56,27.188 h1 r90; Top Overlay "B" at 239.96,27.283 h1 r90; Top Overlay "C" at 241.36,27.236 h1 r90; Top Overlay "D" at 242.76,27.283 h1 r90; Top Overlay "E" at 244.16,27.331 h1 r90; Top Overlay "F" at 245.56,27.331 h1 r90; Top Overlay "1" at 256.51,15.862 h1 r90; Top Overlay "2" at 256.51,17.433 h1 r90; Top Overlay "3" at 256.51,19.433 h1 r90; Top Overlay "G" at 246.96,27.236 h1 r90; Top Overlay "H" at 248.36,27.283 h1 r90; Top Overlay "I" at 249.76,27.7 h1 r90; Top Overlay "4" at 256.51,21.386 h1 r90; Top Overlay "5" at 256.51,23.433 h1 r90; Top Overlay "J" at 251.16,27.474 h1 r90; Top Overlay "K" at 252.56,27.283 h1 r90; Top Overlay "6" at 256.51,25.481 h1 r90; Top Overlay "L" at 253.96,27.379 h1 r90; Mechanical 14 "A" at 237.56,27.95 h1 r270; Mechanical 14 "B" at 238.96,27.95 h1 r270; Mechanical 14 "C" at 240.36,27.95 h1 r270; Mechanical 14 "D" at 241.76,27.95 h1 r270; Mechanical 14 "E" at 243.16,27.95 h1 r270; Mechanical 14 "F" at 244.56,27.95 h1 r270; Mechanical 14 "1" at 255.51,16.1 h1 r270; Mechanical 14 "2" at 255.51,18.1 h1 r270; Mechanical 14 "3" at 255.51,20.1 h1 r270; Mechanical 14 "G" at 245.96,27.95 h1 r270; Mechanical 14 "H" at 247.36,27.95 h1 r270; Mechanical 14 "I" at 248.76,27.7 h1 r270; Mechanical 14 "4" at 255.51,22.1 h1 r270; Mechanical 14 "5" at 255.51,24.1 h1 r270; Mechanical 14 "J" at 250.16,27.95 h1 r270; Mechanical 14 "K" at 251.56,27.95 h1 r270; Mechanical 14 "6" at 255.51,26.1 h1 r270; Mechanical 14 "L" at 252.96,27.95 h1 r270
J13_Slot1: Drill Drawing "PRESS-FIT TECHNOLOGY" at 23.85,42.25 h1; Drill Drawing "Diam. 0.5mm +/-0.05" at 23.85,40.75 h1; Top Overlay "8" at 43.15,58.433 h1 r90; Top Overlay "7" at 43.15,56.433 h1 r90; Top Overlay "6" at 43.15,54.481 h1 r90; Top Overlay "5" at 43.15,52.433 h1 r90; Top Overlay "4" at 43.15,50.386 h1 r90; Top Overlay "3" at 43.15,48.433 h1 r90; Top Overlay "2" at 43.15,46.433 h1 r90; Top Overlay "1" at 43.15,44.862 h1 r90; Mechanical 14 "L" at 39.6,60.95 h1 r270; Mechanical 14 "8" at 42.15,59.1 h1 r270; Mechanical 14 "L" at 40.6,60.379 h1 r90; Mechanical 14 "7" at 42.15,57.1 h1 r270; Mechanical 14 "K" at 38.2,60.95 h1 r270; Mechanical 14 "K" at 39.2,60.283 h1 r90; Mechanical 14 "J" at 36.8,60.95 h1 r270; Mechanical 14 "J" at 37.8,60.474 h1 r90; Mechanical 14 "6" at 42.15,55.1 h1 r270; Mechanical 14 "5" at 42.15,53.1 h1 r270; Mechanical 14 "I" at 35.4,60.7 h1 r270; Mechanical 14 "I" at 36.4,60.7 h1 r90; Mechanical 14 "H" at 34,60.95 h1 r270; Mechanical 14 "H" at 35,60.283 h1 r90; Mechanical 14 "G" at 32.6,60.95 h1 r270; Mechanical 14 "G" at 33.6,60.236 h1 r90; Mechanical 14 "4" at 42.15,51.1 h1 r270; Mechanical 14 "3" at 42.15,49.1 h1 r270; Mechanical 14 "2" at 42.15,47.1 h1 r270; Mechanical 14 "1" at 42.15,45.1 h1 r270; Mechanical 14 "F" at 31.2,60.95 h1 r270; Mechanical 14 "F" at 32.2,60.331 h1 r90; Mechanical 14 "E" at 29.8,60.95 h1 r270; Mechanical 14 "E" at 30.8,60.331 h1 r90; Mechanical 14 "D" at 28.4,60.95 h1 r270; Mechanical 14 "D" at 29.4,60.283 h1 r90; Mechanical 14 "C" at 27,60.95 h1 r270; Mechanical 14 "C" at 28,60.236 h1 r90; Mechanical 14 "B" at 25.6,60.95 h1 r270; Mechanical 14 "B" at 26.6,60.283 h1 r90; Mechanical 14 "A" at 24.2,60.95 h1 r270; Mechanical 14 "A" at 25.2,60.188 h1 r90
J13_Slot2: Drill Drawing "PRESS-FIT TECHNOLOGY" at 54.33,42.25 h1; Drill Drawing "Diam. 0.5mm +/-0.05" at 54.33,40.75 h1; Top Overlay "8" at 73.63,58.433 h1 r90; Top Overlay "7" at 73.63,56.433 h1 r90; Top Overlay "6" at 73.63,54.481 h1 r90; Top Overlay "5" at 73.63,52.433 h1 r90; Top Overlay "4" at 73.63,50.386 h1 r90; Top Overlay "3" at 73.63,48.433 h1 r90; Top Overlay "2" at 73.63,46.433 h1 r90; Top Overlay "1" at 73.63,44.862 h1 r90; Mechanical 14 "L" at 70.08,60.95 h1 r270; Mechanical 14 "L" at 71.08,60.379 h1 r90; Mechanical 14 "8" at 72.63,59.1 h1 r270; Mechanical 14 "7" at 72.63,57.1 h1 r270; Mechanical 14 "K" at 68.68,60.95 h1 r270; Mechanical 14 "K" at 69.68,60.283 h1 r90; Mechanical 14 "J" at 67.28,60.95 h1 r270; Mechanical 14 "J" at 68.28,60.474 h1 r90; Mechanical 14 "6" at 72.63,55.1 h1 r270; Mechanical 14 "5" at 72.63,53.1 h1 r270; Mechanical 14 "I" at 65.88,60.7 h1 r270; Mechanical 14 "I" at 66.88,60.7 h1 r90; Mechanical 14 "H" at 64.48,60.95 h1 r270; Mechanical 14 "H" at 65.48,60.283 h1 r90; Mechanical 14 "G" at 63.08,60.95 h1 r270; Mechanical 14 "G" at 64.08,60.236 h1 r90; Mechanical 14 "4" at 72.63,51.1 h1 r270; Mechanical 14 "3" at 72.63,49.1 h1 r270; Mechanical 14 "2" at 72.63,47.1 h1 r270; Mechanical 14 "1" at 72.63,45.1 h1 r270; Mechanical 14 "F" at 61.68,60.95 h1 r270; Mechanical 14 "F" at 62.68,60.331 h1 r90; Mechanical 14 "E" at 60.28,60.95 h1 r270; Mechanical 14 "E" at 61.28,60.331 h1 r90; Mechanical 14 "D" at 58.88,60.95 h1 r270; Mechanical 14 "D" at 59.88,60.283 h1 r90; Mechanical 14 "C" at 57.48,60.95 h1 r270; Mechanical 14 "C" at 58.48,60.236 h1 r90; Mechanical 14 "B" at 56.08,60.95 h1 r270; Mechanical 14 "B" at 57.08,60.283 h1 r90; Mechanical 14 "A" at 54.68,60.95 h1 r270; Mechanical 14 "A" at 55.68,60.188 h1 r90
J13_Slot3: Drill Drawing "PRESS-FIT TECHNOLOGY" at 84.81,42.25 h1; Drill Drawing "Diam. 0.5mm +/-0.05" at 84.81,40.75 h1; Top Overlay "8" at 104.11,58.433 h1 r90; Top Overlay "7" at 104.11,56.433 h1 r90; Top Overlay "6" at 104.11,54.481 h1 r90; Top Overlay "5" at 104.11,52.433 h1 r90; Top Overlay "4" at 104.11,50.386 h1 r90; Top Overlay "3" at 104.11,48.433 h1 r90; Top Overlay "2" at 104.11,46.433 h1 r90; Top Overlay "1" at 104.11,44.862 h1 r90; Mechanical 14 "L" at 100.56,60.95 h1 r270; Mechanical 14 "8" at 103.11,59.1 h1 r270; Mechanical 14 "L" at 101.56,60.379 h1 r90; Mechanical 14 "7" at 103.11,57.1 h1 r270; Mechanical 14 "K" at 99.16,60.95 h1 r270; Mechanical 14 "K" at 100.16,60.283 h1 r90; Mechanical 14 "J" at 97.76,60.95 h1 r270; Mechanical 14 "J" at 98.76,60.474 h1 r90; Mechanical 14 "6" at 103.11,55.1 h1 r270; Mechanical 14 "5" at 103.11,53.1 h1 r270; Mechanical 14 "I" at 96.36,60.7 h1 r270; Mechanical 14 "I" at 97.36,60.7 h1 r90; Mechanical 14 "H" at 94.96,60.95 h1 r270; Mechanical 14 "H" at 95.96,60.283 h1 r90; Mechanical 14 "G" at 93.56,60.95 h1 r270; Mechanical 14 "G" at 94.56,60.236 h1 r90; Mechanical 14 "4" at 103.11,51.1 h1 r270; Mechanical 14 "3" at 103.11,49.1 h1 r270; Mechanical 14 "2" at 103.11,47.1 h1 r270; Mechanical 14 "1" at 103.11,45.1 h1 r270; Mechanical 14 "F" at 92.16,60.95 h1 r270; Mechanical 14 "F" at 93.16,60.331 h1 r90; Mechanical 14 "E" at 90.76,60.95 h1 r270; Mechanical 14 "E" at 91.76,60.331 h1 r90; Mechanical 14 "D" at 89.36,60.95 h1 r270; Mechanical 14 "D" at 90.36,60.283 h1 r90; Mechanical 14 "C" at 87.96,60.95 h1 r270; Mechanical 14 "C" at 88.96,60.236 h1 r90; Mechanical 14 "B" at 86.56,60.95 h1 r270; Mechanical 14 "B" at 87.56,60.283 h1 r90; Mechanical 14 "A" at 85.16,60.95 h1 r270; Mechanical 14 "A" at 86.16,60.188 h1 r90
J13_Slot4: Drill Drawing "PRESS-FIT TECHNOLOGY" at 115.29,42.25 h1; Drill Drawing "Diam. 0.5mm +/-0.05" at 115.29,40.75 h1; Top Overlay "8" at 134.59,58.433 h1 r90; Top Overlay "7" at 134.59,56.433 h1 r90; Top Overlay "6" at 134.59,54.481 h1 r90; Top Overlay "5" at 134.59,52.433 h1 r90; Top Overlay "4" at 134.59,50.386 h1 r90; Top Overlay "3" at 134.59,48.433 h1 r90; Top Overlay "2" at 134.59,46.433 h1 r90; Top Overlay "1" at 134.59,44.862 h1 r90; Mechanical 14 "L" at 131.04,60.95 h1 r270; Mechanical 14 "L" at 132.04,60.379 h1 r90; Mechanical 14 "8" at 133.59,59.1 h1 r270; Mechanical 14 "7" at 133.59,57.1 h1 r270; Mechanical 14 "K" at 129.64,60.95 h1 r270; Mechanical 14 "K" at 130.64,60.283 h1 r90; Mechanical 14 "J" at 128.24,60.95 h1 r270; Mechanical 14 "J" at 129.24,60.474 h1 r90; Mechanical 14 "6" at 133.59,55.1 h1 r270; Mechanical 14 "5" at 133.59,53.1 h1 r270; Mechanical 14 "I" at 126.84,60.7 h1 r270; Mechanical 14 "I" at 127.84,60.7 h1 r90; Mechanical 14 "H" at 125.44,60.95 h1 r270; Mechanical 14 "H" at 126.44,60.283 h1 r90; Mechanical 14 "G" at 124.04,60.95 h1 r270; Mechanical 14 "G" at 125.04,60.236 h1 r90; Mechanical 14 "4" at 133.59,51.1 h1 r270; Mechanical 14 "3" at 133.59,49.1 h1 r270; Mechanical 14 "2" at 133.59,47.1 h1 r270; Mechanical 14 "1" at 133.59,45.1 h1 r270; Mechanical 14 "F" at 122.64,60.95 h1 r270; Mechanical 14 "F" at 123.64,60.331 h1 r90; Mechanical 14 "E" at 121.24,60.95 h1 r270; Mechanical 14 "E" at 122.24,60.331 h1 r90; Mechanical 14 "D" at 119.84,60.95 h1 r270; Mechanical 14 "D" at 120.84,60.283 h1 r90; Mechanical 14 "C" at 118.44,60.95 h1 r270; Mechanical 14 "C" at 119.44,60.236 h1 r90; Mechanical 14 "B" at 117.04,60.95 h1 r270; Mechanical 14 "B" at 118.04,60.283 h1 r90; Mechanical 14 "A" at 115.64,60.95 h1 r270; Mechanical 14 "A" at 116.64,60.188 h1 r90
J13_Slot5: Drill Drawing "PRESS-FIT TECHNOLOGY" at 145.77,42.25 h1; Drill Drawing "Diam. 0.5mm +/-0.05" at 145.77,40.75 h1; Top Overlay "8" at 165.07,58.433 h1 r90; Top Overlay "7" at 165.07,56.433 h1 r90; Top Overlay "6" at 165.07,54.481 h1 r90; Top Overlay "5" at 165.07,52.433 h1 r90; Top Overlay "4" at 165.07,50.386 h1 r90; Top Overlay "3" at 165.07,48.433 h1 r90; Top Overlay "2" at 165.07,46.433 h1 r90; Top Overlay "1" at 165.07,44.862 h1 r90; Mechanical 14 "L" at 161.52,60.95 h1 r270; Mechanical 14 "L" at 162.52,60.379 h1 r90; Mechanical 14 "8" at 164.07,59.1 h1 r270; Mechanical 14 "7" at 164.07,57.1 h1 r270; Mechanical 14 "K" at 160.12,60.95 h1 r270; Mechanical 14 "K" at 161.12,60.283 h1 r90; Mechanical 14 "J" at 158.72,60.95 h1 r270; Mechanical 14 "J" at 159.72,60.474 h1 r90; Mechanical 14 "6" at 164.07,55.1 h1 r270; Mechanical 14 "5" at 164.07,53.1 h1 r270; Mechanical 14 "I" at 157.32,60.7 h1 r270; Mechanical 14 "I" at 158.32,60.7 h1 r90; Mechanical 14 "H" at 155.92,60.95 h1 r270; Mechanical 14 "H" at 156.92,60.283 h1 r90; Mechanical 14 "G" at 154.52,60.95 h1 r270; Mechanical 14 "G" at 155.52,60.236 h1 r90; Mechanical 14 "4" at 164.07,51.1 h1 r270; Mechanical 14 "3" at 164.07,49.1 h1 r270; Mechanical 14 "2" at 164.07,47.1 h1 r270; Mechanical 14 "1" at 164.07,45.1 h1 r270; Mechanical 14 "F" at 153.12,60.95 h1 r270; Mechanical 14 "F" at 154.12,60.331 h1 r90; Mechanical 14 "E" at 151.72,60.95 h1 r270; Mechanical 14 "E" at 152.72,60.331 h1 r90; Mechanical 14 "D" at 150.32,60.95 h1 r270; Mechanical 14 "D" at 151.32,60.283 h1 r90; Mechanical 14 "C" at 148.92,60.95 h1 r270; Mechanical 14 "C" at 149.92,60.236 h1 r90; Mechanical 14 "B" at 147.52,60.95 h1 r270; Mechanical 14 "B" at 148.52,60.283 h1 r90; Mechanical 14 "A" at 146.12,60.95 h1 r270; Mechanical 14 "A" at 147.12,60.188 h1 r90
J13_Slot6: Drill Drawing "PRESS-FIT TECHNOLOGY" at 176.25,42.25 h1; Drill Drawing "Diam. 0.5mm +/-0.05" at 176.25,40.75 h1; Top Overlay "8" at 195.55,58.433 h1 r90; Top Overlay "7" at 195.55,56.433 h1 r90; Top Overlay "6" at 195.55,54.481 h1 r90; Top Overlay "5" at 195.55,52.433 h1 r90; Top Overlay "4" at 195.55,50.386 h1 r90; Top Overlay "3" at 195.55,48.433 h1 r90; Top Overlay "2" at 195.55,46.433 h1 r90; Top Overlay "1" at 195.55,44.862 h1 r90; Mechanical 14 "L" at 192,60.95 h1 r270; Mechanical 14 "L" at 193,60.379 h1 r90; Mechanical 14 "8" at 194.55,59.1 h1 r270; Mechanical 14 "7" at 194.55,57.1 h1 r270; Mechanical 14 "K" at 190.6,60.95 h1 r270; Mechanical 14 "K" at 191.6,60.283 h1 r90; Mechanical 14 "J" at 189.2,60.95 h1 r270; Mechanical 14 "J" at 190.2,60.474 h1 r90; Mechanical 14 "6" at 194.55,55.1 h1 r270; Mechanical 14 "5" at 194.55,53.1 h1 r270; Mechanical 14 "I" at 187.8,60.7 h1 r270; Mechanical 14 "I" at 188.8,60.7 h1 r90; Mechanical 14 "H" at 186.4,60.95 h1 r270; Mechanical 14 "H" at 187.4,60.283 h1 r90; Mechanical 14 "G" at 185,60.95 h1 r270; Mechanical 14 "G" at 186,60.236 h1 r90; Mechanical 14 "4" at 194.55,51.1 h1 r270; Mechanical 14 "3" at 194.55,49.1 h1 r270; Mechanical 14 "2" at 194.55,47.1 h1 r270; Mechanical 14 "1" at 194.55,45.1 h1 r270; Mechanical 14 "F" at 183.6,60.95 h1 r270; Mechanical 14 "F" at 184.6,60.331 h1 r90; Mechanical 14 "E" at 182.2,60.95 h1 r270; Mechanical 14 "E" at 183.2,60.331 h1 r90; Mechanical 14 "D" at 180.8,60.95 h1 r270; Mechanical 14 "D" at 181.8,60.283 h1 r90; Mechanical 14 "C" at 179.4,60.95 h1 r270; Mechanical 14 "C" at 180.4,60.236 h1 r90; Mechanical 14 "B" at 178,60.95 h1 r270; Mechanical 14 "B" at 179,60.283 h1 r90; Mechanical 14 "A" at 176.6,60.95 h1 r270; Mechanical 14 "A" at 177.6,60.188 h1 r90
J13_Slot7: Drill Drawing "PRESS-FIT TECHNOLOGY" at 206.73,42.25 h1; Drill Drawing "Diam. 0.5mm +/-0.05" at 206.73,40.75 h1; Top Overlay "8" at 226.03,58.433 h1 r90; Top Overlay "7" at 226.03,56.433 h1 r90; Top Overlay "6" at 226.03,54.481 h1 r90; Top Overlay "5" at 226.03,52.433 h1 r90; Top Overlay "4" at 226.03,50.386 h1 r90; Top Overlay "3" at 226.03,48.433 h1 r90; Top Overlay "2" at 226.03,46.433 h1 r90; Top Overlay "1" at 226.03,44.862 h1 r90; Mechanical 14 "L" at 222.48,60.95 h1 r270; Mechanical 14 "8" at 225.03,59.1 h1 r270; Mechanical 14 "L" at 223.48,60.379 h1 r90; Mechanical 14 "7" at 225.03,57.1 h1 r270; Mechanical 14 "K" at 221.08,60.95 h1 r270; Mechanical 14 "K" at 222.08,60.283 h1 r90; Mechanical 14 "J" at 219.68,60.95 h1 r270; Mechanical 14 "J" at 220.68,60.474 h1 r90; Mechanical 14 "6" at 225.03,55.1 h1 r270; Mechanical 14 "5" at 225.03,53.1 h1 r270; Mechanical 14 "I" at 218.28,60.7 h1 r270; Mechanical 14 "I" at 219.28,60.7 h1 r90; Mechanical 14 "H" at 216.88,60.95 h1 r270; Mechanical 14 "H" at 217.88,60.283 h1 r90; Mechanical 14 "G" at 215.48,60.95 h1 r270; Mechanical 14 "G" at 216.48,60.236 h1 r90; Mechanical 14 "4" at 225.03,51.1 h1 r270; Mechanical 14 "3" at 225.03,49.1 h1 r270; Mechanical 14 "2" at 225.03,47.1 h1 r270; Mechanical 14 "1" at 225.03,45.1 h1 r270; Mechanical 14 "F" at 214.08,60.95 h1 r270; Mechanical 14 "F" at 215.08,60.331 h1 r90; Mechanical 14 "E" at 212.68,60.95 h1 r270; Mechanical 14 "E" at 213.68,60.331 h1 r90; Mechanical 14 "D" at 211.28,60.95 h1 r270; Mechanical 14 "D" at 212.28,60.283 h1 r90; Mechanical 14 "C" at 209.88,60.95 h1 r270; Mechanical 14 "C" at 210.88,60.236 h1 r90; Mechanical 14 "B" at 208.48,60.95 h1 r270; Mechanical 14 "B" at 209.48,60.283 h1 r90; Mechanical 14 "A" at 207.08,60.95 h1 r270; Mechanical 14 "A" at 208.08,60.188 h1 r90
J13_Slot8: Drill Drawing "PRESS-FIT TECHNOLOGY" at 237.21,42.25 h1; Drill Drawing "Diam. 0.5mm +/-0.05" at 237.21,40.75 h1; Top Overlay "8" at 256.51,58.433 h1 r90; Top Overlay "7" at 256.51,56.433 h1 r90; Top Overlay "6" at 256.51,54.481 h1 r90; Top Overlay "5" at 256.51,52.433 h1 r90; Top Overlay "4" at 256.51,50.386 h1 r90; Top Overlay "3" at 256.51,48.433 h1 r90; Top Overlay "2" at 256.51,46.433 h1 r90; Top Overlay "1" at 256.51,44.862 h1 r90; Mechanical 14 "L" at 252.96,60.95 h1 r270; Mechanical 14 "8" at 255.51,59.1 h1 r270; Mechanical 14 "L" at 253.96,60.379 h1 r90; Mechanical 14 "7" at 255.51,57.1 h1 r270; Mechanical 14 "K" at 251.56,60.95 h1 r270; Mechanical 14 "K" at 252.56,60.283 h1 r90; Mechanical 14 "J" at 250.16,60.95 h1 r270; Mechanical 14 "J" at 251.16,60.474 h1 r90; Mechanical 14 "6" at 255.51,55.1 h1 r270; Mechanical 14 "5" at 255.51,53.1 h1 r270; Mechanical 14 "I" at 248.76,60.7 h1 r270; Mechanical 14 "I" at 249.76,60.7 h1 r90; Mechanical 14 "H" at 247.36,60.95 h1 r270; Mechanical 14 "H" at 248.36,60.283 h1 r90; Mechanical 14 "G" at 245.96,60.95 h1 r270; Mechanical 14 "G" at 246.96,60.236 h1 r90; Mechanical 14 "4" at 255.51,51.1 h1 r270; Mechanical 14 "3" at 255.51,49.1 h1 r270; Mechanical 14 "2" at 255.51,47.1 h1 r270; Mechanical 14 "1" at 255.51,45.1 h1 r270; Mechanical 14 "F" at 244.56,60.95 h1 r270; Mechanical 14 "F" at 245.56,60.331 h1 r90; Mechanical 14 "E" at 243.16,60.95 h1 r270; Mechanical 14 "E" at 244.16,60.331 h1 r90; Mechanical 14 "D" at 241.76,60.95 h1 r270; Mechanical 14 "D" at 242.76,60.283 h1 r90; Mechanical 14 "C" at 240.36,60.95 h1 r270; Mechanical 14 "C" at 241.36,60.236 h1 r90; Mechanical 14 "B" at 238.96,60.95 h1 r270; Mechanical 14 "B" at 239.96,60.283 h1 r90; Mechanical 14 "A" at 237.56,60.95 h1 r270; Mechanical 14 "A" at 238.56,60.188 h1 r90
J14_Slot1: Top Overlay "L" at 40.6,79.379 h1 r90; Top Overlay "8" at 43.15,77.433 h1 r90; Top Overlay "7" at 43.15,75.433 h1 r90; Top Overlay "K" at 39.2,79.283 h1 r90; Top Overlay "J" at 37.8,79.474 h1 r90; Top Overlay "6" at 43.15,73.481 h1 r90; Top Overlay "5" at 43.15,71.433 h1 r90; Top Overlay "I" at 36.4,79.7 h1 r90; Top Overlay "H" at 35,79.283 h1 r90; Top Overlay "G" at 33.6,79.236 h1 r90; Top Overlay "4" at 43.15,69.386 h1 r90; Top Overlay "3" at 43.15,67.433 h1 r90; Top Overlay "2" at 43.15,65.433 h1 r90; Top Overlay "1" at 43.15,63.862 h1 r90; Top Overlay "F" at 32.2,79.331 h1 r90; Top Overlay "E" at 30.8,79.331 h1 r90; Top Overlay "D" at 29.4,79.283 h1 r90; Top Overlay "C" at 28,79.236 h1 r90; Top Overlay "B" at 26.6,79.283 h1 r90; Top Overlay "A" at 25.2,79.188 h1 r90; Mechanical 14 "L" at 39.6,79.95 h1 r270; Mechanical 14 "8" at 42.15,78.1 h1 r270; Mechanical 14 "7" at 42.15,76.1 h1 r270; Mechanical 14 "K" at 38.2,79.95 h1 r270; Mechanical 14 "J" at 36.8,79.95 h1 r270; Mechanical 14 "6" at 42.15,74.1 h1 r270; Mechanical 14 "5" at 42.15,72.1 h1 r270; Mechanical 14 "I" at 35.4,79.7 h1 r270; Mechanical 14 "H" at 34,79.95 h1 r270; Mechanical 14 "G" at 32.6,79.95 h1 r270; Mechanical 14 "4" at 42.15,70.1 h1 r270; Mechanical 14 "3" at 42.15,68.1 h1 r270; Mechanical 14 "2" at 42.15,66.1 h1 r270; Mechanical 14 "1" at 42.15,64.1 h1 r270; Mechanical 14 "F" at 31.2,79.95 h1 r270; Mechanical 14 "E" at 29.8,79.95 h1 r270; Mechanical 14 "D" at 28.4,79.95 h1 r270; Mechanical 14 "C" at 27,79.95 h1 r270; Mechanical 14 "B" at 25.6,79.95 h1 r270; Mechanical 14 "A" at 24.2,79.95 h1 r270
J14_Slot2: Top Overlay "L" at 71.08,79.379 h1 r90; Top Overlay "8" at 73.63,77.433 h1 r90; Top Overlay "7" at 73.63,75.433 h1 r90; Top Overlay "K" at 69.68,79.283 h1 r90; Top Overlay "J" at 68.28,79.474 h1 r90; Top Overlay "6" at 73.63,73.481 h1 r90; Top Overlay "5" at 73.63,71.433 h1 r90; Top Overlay "I" at 66.88,79.7 h1 r90; Top Overlay "H" at 65.48,79.283 h1 r90; Top Overlay "G" at 64.08,79.236 h1 r90; Top Overlay "4" at 73.63,69.386 h1 r90; Top Overlay "3" at 73.63,67.433 h1 r90; Top Overlay "2" at 73.63,65.433 h1 r90; Top Overlay "1" at 73.63,63.862 h1 r90; Top Overlay "F" at 62.68,79.331 h1 r90; Top Overlay "E" at 61.28,79.331 h1 r90; Top Overlay "D" at 59.88,79.283 h1 r90; Top Overlay "C" at 58.48,79.236 h1 r90; Top Overlay "B" at 57.08,79.283 h1 r90; Top Overlay "A" at 55.68,79.188 h1 r90; Mechanical 14 "L" at 70.08,79.95 h1 r270; Mechanical 14 "8" at 72.63,78.1 h1 r270; Mechanical 14 "7" at 72.63,76.1 h1 r270; Mechanical 14 "K" at 68.68,79.95 h1 r270; Mechanical 14 "J" at 67.28,79.95 h1 r270; Mechanical 14 "6" at 72.63,74.1 h1 r270; Mechanical 14 "5" at 72.63,72.1 h1 r270; Mechanical 14 "I" at 65.88,79.7 h1 r270; Mechanical 14 "H" at 64.48,79.95 h1 r270; Mechanical 14 "G" at 63.08,79.95 h1 r270; Mechanical 14 "4" at 72.63,70.1 h1 r270; Mechanical 14 "3" at 72.63,68.1 h1 r270; Mechanical 14 "2" at 72.63,66.1 h1 r270; Mechanical 14 "1" at 72.63,64.1 h1 r270; Mechanical 14 "F" at 61.68,79.95 h1 r270; Mechanical 14 "E" at 60.28,79.95 h1 r270; Mechanical 14 "D" at 58.88,79.95 h1 r270; Mechanical 14 "C" at 57.48,79.95 h1 r270; Mechanical 14 "B" at 56.08,79.95 h1 r270; Mechanical 14 "A" at 54.68,79.95 h1 r270
J14_Slot3: Top Overlay "L" at 101.56,79.379 h1 r90; Top Overlay "8" at 104.11,77.433 h1 r90; Top Overlay "7" at 104.11,75.433 h1 r90; Top Overlay "K" at 100.16,79.283 h1 r90; Top Overlay "J" at 98.76,79.474 h1 r90; Top Overlay "6" at 104.11,73.481 h1 r90; Top Overlay "5" at 104.11,71.433 h1 r90; Top Overlay "I" at 97.36,79.7 h1 r90; Top Overlay "H" at 95.96,79.283 h1 r90; Top Overlay "G" at 94.56,79.236 h1 r90; Top Overlay "4" at 104.11,69.386 h1 r90; Top Overlay "3" at 104.11,67.433 h1 r90; Top Overlay "2" at 104.11,65.433 h1 r90; Top Overlay "1" at 104.11,63.862 h1 r90; Top Overlay "F" at 93.16,79.331 h1 r90; Top Overlay "E" at 91.76,79.331 h1 r90; Top Overlay "D" at 90.36,79.283 h1 r90; Top Overlay "C" at 88.96,79.236 h1 r90; Top Overlay "B" at 87.56,79.283 h1 r90; Top Overlay "A" at 86.16,79.188 h1 r90; Mechanical 14 "L" at 100.56,79.95 h1 r270; Mechanical 14 "8" at 103.11,78.1 h1 r270; Mechanical 14 "7" at 103.11,76.1 h1 r270; Mechanical 14 "K" at 99.16,79.95 h1 r270; Mechanical 14 "J" at 97.76,79.95 h1 r270; Mechanical 14 "6" at 103.11,74.1 h1 r270; Mechanical 14 "5" at 103.11,72.1 h1 r270; Mechanical 14 "I" at 96.36,79.7 h1 r270; Mechanical 14 "H" at 94.96,79.95 h1 r270; Mechanical 14 "G" at 93.56,79.95 h1 r270; Mechanical 14 "4" at 103.11,70.1 h1 r270; Mechanical 14 "3" at 103.11,68.1 h1 r270; Mechanical 14 "2" at 103.11,66.1 h1 r270; Mechanical 14 "1" at 103.11,64.1 h1 r270; Mechanical 14 "F" at 92.16,79.95 h1 r270; Mechanical 14 "E" at 90.76,79.95 h1 r270; Mechanical 14 "D" at 89.36,79.95 h1 r270; Mechanical 14 "C" at 87.96,79.95 h1 r270; Mechanical 14 "B" at 86.56,79.95 h1 r270; Mechanical 14 "A" at 85.16,79.95 h1 r270